# Altium PCB Copy of DIOT_temperature_logger.PcbDoc (part 7 of 7)
Units mm, origin at the board's own origin, x right, y up, seen from the top; angles counter-clockwise.
Board outline 301.1 x 109.1 mm, 4 copper layers (TOP, MID1, MID2, BOT), stack 1.564 mm thick; 651 components, 619 nets, 2526 pads, 1345 vias.
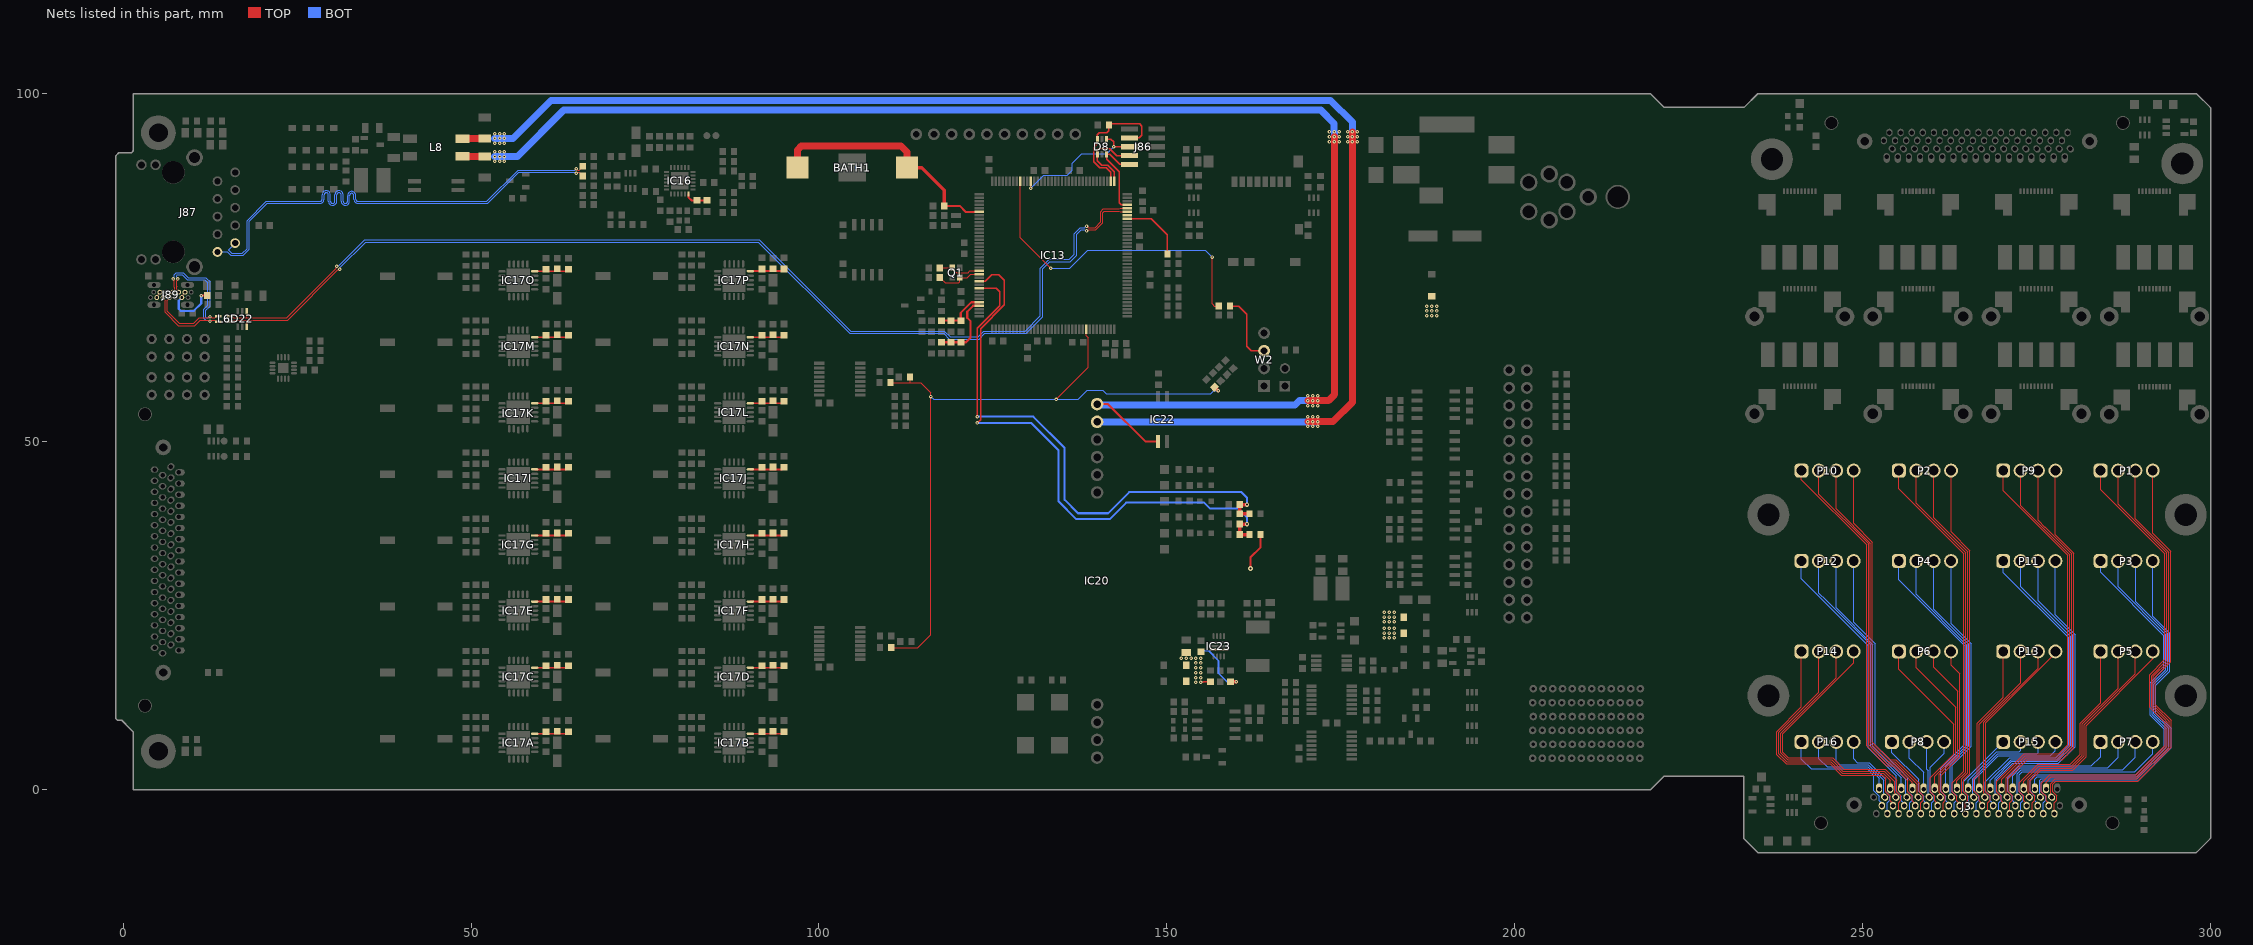
[diagram p9: the nets of this part, all layers, seen from the top]

## Via types
v1: diameter 0.5, hole 0.2, TOP to BOT, tented both sides, 1333 vias
v2: diameter 0.66, hole 0.33, TOP to BOT, tented both sides, 6 vias
v3: diameter 0.6, hole 0.3, TOP to BOT, tented both sides, 6 vias

## Nets (pads, with @x,y where several pads share a name; then routed paths per layer and width w, separated by ;. In a path a pad name is that pad's centre, name@x,y a point inside that pad or via, vN(x,y) a via of type N, cw(c..) or ccw(c..) an arc to the next point about the centre after c; other vN are vias at no path point) (continued)
SPI4_NSS: IC13.64 R126.1 R127.1 R128.1 R131.1 | length 103.8
  TOP w0.171: R128.1@110.3,58.5 113.149,58.5 ; R127.1@110.4,20.4 114.242,20.4 116.1,22.258 v1(116.1,56.5) 116.1,57.05 114.65,58.5 113.149,58.5 ; R126.1@113.1,59.3 113.149,59.251 113.149,58.5 ; v1(134.15,56.075) 138.75,60.675 138.75,64.95 138.45,65.25 IC13.64@138.45,66.175
  TOP w0.5: R131.1@156.866,57.834 157.375,57.325 v1(157.4,57.325)
  BOT w0.152: v1(116.1,56.5) 116.525,56.075 v1(134.15,56.075) 134.175,56.1 137.3,56.1 138.582,57.382 140.818,57.382 141.325,56.876 156.326,56.876 156.775,57.325 v1(157.4,57.325)
SWCLK: D8.1 IC13.109 J86.4 | length 11.1
  TOP w0.2: IC13.109@142.45,87.425 142.45,88.8 141.5,89.75 140.7,89.75 140.05,90.4 D8.1@140.05,91.3 140.05,91.978 140.172,92.1 141.825,92.1 142.795,91.13 J86.4@144.65,91.13
SWDIO: D8.3 IC13.105 J86.2 | length 12.9
  TOP w0.2: IC13.105@144.325,84.05 143.45,84.05 143.175,84.325 143.175,88.803 141.35,90.628 D8.3@141.35,91.3 141.838,91.3 143.278,89.86 J86.2@144.65,89.86
TD_N: J87.2 R97.2 | length 68.1
  TOP w0.127: v1(65.1,89.214) 65.187,89.214 65.361,89.04 65.59,89.04 66.1,89.55 R97.2@66.1,89.6
  BOT w0.127: J87.2@16.09,78.555 15.157,77.622 15.157,77.517 15.609,77.066 17.134,77.066 17.83,77.762 17.83,81.78 20.589,84.539 28.071,84.539 28.274,84.539 ccw(c28.274,84.856) 28.591,84.856 28.591,85.485 cw(c29.188,85.485) 29.785,85.485 29.785,84.577 ccw(c30.103,84.577) 30.42,84.577 30.42,85.485 cw(c31.017,85.485) 31.614,85.485 31.614,84.577 ccw(c31.931,84.577) 32.249,84.577 32.249,85.376 cw(c32.846,85.376) 33.443,85.376 33.443,84.856 ccw(c33.76,84.856) 33.76,84.539 37.592,84.539 40.026,84.539 41.6,84.539 52.264,84.539 56.765,89.04 64.926,89.04 v1(65.1,89.214)
TD_P: J87.1 R96.2 | length 68.3
  TOP w0.127: v1(65.1,88.587) 65.187,88.587 65.361,88.76 65.54,88.76 65.663,88.637 65.663,88.587 R96.2@66.05,88.2
  BOT w0.127: J87.1@13.55,77.285 13.585,77.32 14.96,77.32 15.493,76.786 17.25,76.786 18.109,77.646 18.109,81.664 20.704,84.259 28.071,84.259 28.274,84.259 ccw(c28.274,84.856) 28.871,84.856 28.871,85.485 cw(c29.188,85.485) 29.506,85.485 29.506,84.577 ccw(c30.103,84.577) 30.699,84.577 30.699,85.485 cw(c31.017,85.485) 31.334,85.485 31.334,84.577 ccw(c31.931,84.577) 32.528,84.577 32.528,85.376 cw(c32.846,85.376) 33.163,85.376 33.163,84.856 ccw(c33.76,84.856) 33.76,84.259 37.592,84.259 40.026,84.259 41.6,84.259 52.379,84.259 56.88,88.76 64.926,88.76 v1(65.1,88.587)
TDI: D8.6 IC13.110 J86.8 R77.1 | length 19.4
  TOP w0.2: IC13.110@141.95,87.425 141.95,88.725 141.3,89.375 140.375,89.375 139.5,90.25 139.5,92.275 140.05,92.825 D8.6@140.05,93.5 140.05,94.144 140.306,94.4 141.4,94.4 141.7,94.7 R77.1@141.7,95.5 141.9,95.7 146.1,95.7 146.425,95.375 146.425,94.025 146.07,93.67 J86.8@144.65,93.67
TDO: D8.4 IC13.133 J86.6 | length 20.2
  TOP w0.152: v1(130.45,86.425) IC13.133@130.45,87.425
  TOP w0.2: D8.4@141.35,93.5 141.975,93.5 142.375,93.1 v1(142.375,92.4) J86.6@144.65,92.4
  BOT w0.152: v1(130.45,86.425) 132.3,88.275 135.675,88.275 136.425,89.025 136.425,90.025 137.8,91.4 141.375,91.4 v1(142.375,92.4)
TFORCE_N00: J3.36 P1.4 | length 66.6
  TOP w0.152: J3.36@277.605,-3.45 277.605,-1.92 277.952,-1.572 277.952,-0.921 277.35,-0.318 277.35,0.754 277.82,1.225 289.575,1.225 294.4,6.05 294.4,9.932 292.125,12.207 292.125,16.163 294.325,18.363 294.325,34.25 291.75,36.825 P1.4@291.75,45.85
TFORCE_N01: J3.38 P3.4 | length 55.2
  BOT w0.152: J3.38@276.005,-3.45 276.005,-1.92 276.352,-1.572 276.352,-0.921 275.75,-0.318 275.75,1.087 275.949,1.287 289.662,1.287 294.375,6 294.375,8.825 292.2,11 292.2,15.025 294.175,17 294.175,22.485 291.75,24.91 P3.4@291.75,32.85
TFORCE_N02: J3.40 P5.4 | length 33.7
  TOP w0.152: J3.40@274.405,-3.45 274.405,-1.92 274.752,-1.572 274.752,-0.921 274.15,-0.318 274.15,1.275 275.675,2.8 280.25,2.8 282.175,4.725 282.175,9.2 291.75,18.775 P5.4@291.75,19.85
TFORCE_N03: J3.42 P7.4 | length 28.2
  BOT w0.152: J3.42@272.805,-3.45 272.805,-1.92 273.152,-1.572 273.152,-0.921 272.55,-0.318 272.55,2.154 272.957,2.562 289.184,2.562 291.75,5.128 P7.4@291.75,6.85
TFORCE_N04: J3.44 P9.4 | length 57.6
  TOP w0.152: J3.44@271.205,-3.45 271.205,-1.92 271.552,-1.572 271.552,-0.921 270.95,-0.318 270.95,1.55 273.7,4.3 278.7,4.3 280.4,6 280.4,34 277.75,36.65 P9.4@277.75,45.85
TFORCE_N05: J3.46 P11.4 | length 46.4
  BOT w0.152: J3.46@269.605,-3.45 269.605,-1.92 269.952,-1.572 269.952,-0.921 269.35,-0.318 269.35,1.504 271.607,3.762 278.162,3.762 280.575,6.175 280.575,22.275 277.75,25.1 P11.4@277.75,32.85
TFORCE_N06: J3.48 P13.4 | length 27.8
  TOP w0.152: J3.48@268.005,-3.45 268.005,-1.92 268.352,-1.572 268.352,-0.921 267.8,-0.369 267.751,-0.32 267.751,9.576 277.75,19.575 P13.4@277.75,19.85
TFORCE_N07: J3.50 P15.4 | length 19.9
  BOT w0.152: J3.50@266.405,-3.45 266.405,-1.92 266.752,-1.572 266.752,-0.921 266.15,-0.318 266.15,1.459 269.57,4.879 277.029,4.879 277.75,5.6 P15.4@277.75,6.85
TFORCE_N08: J3.52 P2.4 | length 51.2
  TOP w0.152: P2.4@262.75,45.85 262.75,37.025 265.425,34.35 265.425,2.285 264.55,1.409 264.55,-0.318 265.152,-0.921 265.152,-1.572 264.805,-1.92 J3.52@264.805,-3.45
TFORCE_N09: J3.54 P4.4 | length 39
  BOT w0.152: P4.4@262.75,32.85 262.75,23.85 265.625,20.975 265.625,6.205 262.95,3.529 262.95,-0.318 263.552,-0.921 263.552,-1.572 263.205,-1.92 J3.54@263.205,-3.45
TFORCE_N10: J3.56 P6.4 | length 25.3
  TOP w0.152: J3.56@261.605,-3.45 261.605,-1.92 261.952,-1.572 261.952,-0.921 261.35,-0.318 261.35,2.084 264,4.735 264,16.65 262.75,17.9 P6.4@262.75,19.85
TFORCE_N11: J3.58 P8.4 | length 11.5
  BOT w0.152: J3.58@260.005,-3.45 260.005,-1.92 260.352,-1.572 260.352,-0.921 259.75,-0.318 259.75,3.2 261.75,5.2 P8.4@261.75,6.85
TFORCE_N12: J3.60 P10.4 | length 54.1
  TOP w0.152: P10.4@248.75,45.85 248.75,38.25 251.45,35.55 251.45,6.775 253.975,4.25 254.8,4.25 258.15,0.9 258.15,-0.318 258.752,-0.921 258.752,-1.572 258.405,-1.92 J3.60@258.405,-3.45
TFORCE_N13: J3.62 P12.4 | length 39.9
  BOT w0.152: P12.4@248.75,32.85 248.75,24.05 251.85,20.95 251.85,6.375 256.55,1.675 256.55,-0.318 257.152,-0.921 257.152,-1.572 256.805,-1.92 J3.62@256.805,-3.45
TFORCE_N14: J3.64 P14.4 | length 41.9
  TOP w0.152: P14.4@248.75,19.85 248.75,18.2 238.538,7.988 238.538,5.398 239.361,4.575 245.715,4.575 247.34,2.95 253.325,2.95 254.95,1.325 254.95,-0.318 255.552,-0.921 255.552,-1.572 255.205,-1.92 J3.64@255.205,-3.45
TFORCE_N15: J3.66 P16.4 | length 13.6
  BOT w0.152: P16.4@248.75,6.85 248.75,4.405 249.28,3.875 250.96,3.875 253.35,1.486 253.35,-0.318 253.952,-0.921 253.952,-1.572 253.605,-1.92 J3.66@253.605,-3.45
TFORCE_P00: J3.37 P1.1 | length 68.9
  TOP w0.152: J3.37@276.805,-2.3 276.805,-2.01 276.4,-1.605 276.4,-0.968 275.75,-0.318 275.75,0.925 276.95,2.125 289.29,2.125 293.562,6.397 293.562,9.585 293.029,10.118 291.287,11.86 291.287,16.511 293.487,18.711 293.487,33.893 284.25,43.13 P1.1@284.25,45.85
TFORCE_P01: J3.39 P3.1 | length 57.5
  BOT w0.152: J3.39@275.205,-2.3 275.205,-2.01 274.8,-1.605 274.8,-0.968 274.1,-0.268 274.1,1.35 274.875,2.125 289.315,2.125 293.375,6.185 293.375,8.64 291.362,10.653 291.362,15.372 293.337,17.347 293.337,22.138 284.25,31.225 P3.1@284.25,32.85
TFORCE_P02: J3.41 P5.1 | length 30.2
  TOP w0.152: J3.41@273.605,-2.3 273.605,-2.01 273.2,-1.605 273.2,-0.968 272.55,-0.318 272.55,0.95 275.238,3.638 279.903,3.638 281.337,5.072 281.337,9.547 284.25,12.46 P5.1@284.25,19.85
TFORCE_P03: J3.43 P7.1 | length 21.2
  BOT w0.152: J3.43@272.005,-2.3 272.005,-2.01 271.6,-1.605 271.6,-0.968 270.9,-0.268 270.9,1.72 272.579,3.4 282.9,3.4 284.25,4.75 P7.1@284.25,6.85
TFORCE_P04: J3.45 P9.1 | length 59.5
  TOP w0.152: P9.1@270.25,45.85 270.25,42.95 271.471,41.729 271.471,41.709 279.5,33.68 279.5,6.425 278.213,5.138 273.288,5.138 269.35,1.2 269.35,-0.318 270,-0.968 270,-1.605 270.405,-2.01 J3.45@270.405,-2.3
TFORCE_P05: J3.47 P11.1 | length 48.3
  BOT w0.152: J3.47@268.805,-2.3 268.805,-2.01 268.4,-1.605 268.4,-0.968 267.7,-0.268 267.7,1.091 271.209,4.6 277.815,4.6 279.65,6.435 279.65,21.8 270.25,31.2 P11.1@270.25,32.85
TFORCE_P06: J3.49 P13.1 | length 24.4
  TOP w0.152: J3.49@267.205,-2.3 267.205,-2.01 266.8,-1.605 266.8,-0.968 266.025,-0.194 266.025,1.5 266.525,2 266.525,9.55 270.25,13.275 P13.1@270.25,19.85
TFORCE_P07: J3.51 P15.1 | length 12
  BOT w0.152: J3.51@265.605,-2.3 265.605,-2.01 265.2,-1.605 265.2,-0.968 264.5,-0.268 264.5,1.1 P15.1@270.25,6.85
TFORCE_P08: J3.53 P2.1 | length 53.1
  TOP w0.152: P2.1@255.25,45.85 255.25,43.225 264.587,33.888 264.587,2.637 262.95,1 262.95,-0.318 263.6,-0.968 263.6,-1.605 264.005,-2.01 J3.53@264.005,-2.3
TFORCE_P09: J3.55 P4.1 | length 40.9
  BOT w0.152: P4.1@255.25,32.85 255.25,30.15 264.675,20.725 264.675,6.45 261.3,3.075 261.3,-0.268 262,-0.968 262,-1.605 262.405,-2.01 J3.55@262.405,-2.3
TFORCE_P10: J3.57 P6.1 | length 27.2
  TOP w0.152: P6.1@255.25,19.85 255.25,17.269 263.121,9.399 263.121,5.071 259.75,1.7 259.75,-0.318 260.4,-0.968 260.4,-1.605 260.805,-2.01 J3.57@260.805,-2.3
TFORCE_P11: J3.59 P8.1 | length 11.2
  BOT w0.152: P8.1@254.25,6.85 254.25,5.325 258.1,1.475 258.1,-0.268 258.8,-0.968 258.8,-1.605 259.205,-2.01 J3.59@259.205,-2.3
TFORCE_P12: J3.61 P10.1 | length 55.5
  TOP w0.152: P10.1@241.25,45.85 241.25,44.555 250.612,35.193 250.612,6.263 253.463,3.412 254.413,3.412 256.55,1.275 256.55,-0.318 257.2,-0.968 257.2,-1.605 257.605,-2.01 J3.61@257.605,-2.3
TFORCE_P13: J3.63 P12.1 | length 41.3
  BOT w0.152: P12.1@241.25,32.85 241.25,30.325 250.875,20.7 250.875,5.984 254.9,1.96 254.9,-0.268 255.6,-0.968 255.6,-1.605 256.005,-2.01 J3.63@256.005,-2.3
TFORCE_P14: J3.65 P14.1 | length 37.7
  TOP w0.152: P14.1@241.25,19.85 241.25,11.885 237.7,8.335 237.7,5.025 239.034,3.691 245.37,3.691 246.975,2.087 252.888,2.087 253.35,1.625 253.35,-0.318 254,-0.968 254,-1.605 254.405,-2.01 J3.65@254.405,-2.3
TFORCE_P15: J3.67 P16.1 | length 18.7
  BOT w0.152: P16.1@241.25,6.85 241.25,4.35 242.625,2.975 250.675,2.975 251.631,2.019 251.631,-0.2 252.4,-0.968 252.4,-1.605 252.805,-2.01 J3.67@252.805,-2.3
TRTDIN_N00: J3.2 P1.3 | length 64.8
  TOP w0.152: J3.2@277.205,-1.1 277.07,-0.965 277.07,0.87 277.725,1.525 289.48,1.525 294.121,6.166 294.121,9.816 291.846,12.091 291.846,16.279 294.046,18.479 294.046,34.129 289.25,38.925 P1.3@289.25,45.85
TRTDIN_N01: J3.4 P3.3 | length 53.4
  BOT w0.152: J3.4@275.605,-1.1 275.47,-0.965 275.47,1.325 275.711,1.566 289.546,1.566 294.025,6.045 294.025,8.78 291.921,10.884 291.921,15.141 293.896,17.116 293.896,22.37 289.3,26.965 289.3,32.8 P3.3@289.25,32.85
TRTDIN_N02: J3.6 P5.3 | length 30.1
  TOP w0.152: J3.6@274.005,-1.1 273.9,-0.995 273.9,-0.464 273.87,-0.434 273.87,1.395 275.554,3.079 280.134,3.079 281.896,4.841 281.896,9.316 289.25,16.67 P5.3@289.25,19.85
TRTDIN_N03: J3.8 P7.3 | length 23.6
  BOT w0.152: J3.8@272.405,-1.1 272.27,-0.965 272.27,2.27 272.841,2.841 285.691,2.841 ; 285.725,2.841 287.441,2.841 289.25,4.65 P7.3@289.25,6.85
TRTDIN_N04: J3.10 P9.3 | length 55.8
  TOP w0.152: J3.10@270.805,-1.1 270.7,-0.995 270.7,-0.464 270.67,-0.434 270.67,1.67 273.579,4.579 278.554,4.579 280.1,6.125 280.1,33.9 276.25,37.75 ; P9.3@275.25,45.85 275.25,38.72 276.235,37.735
TRTDIN_N05: J3.12 P11.3 | length 44.5
  BOT w0.152: J3.12@269.205,-1.1 269.07,-0.965 269.07,1.62 271.491,4.041 278.046,4.041 280.25,6.245 280.25,22.15 275.25,27.15 P11.3@275.25,32.85
TRTDIN_N06: J3.14 P13.3 | length 24.2
  TOP w0.152: J3.14@267.605,-1.1 267.5,-0.995 267.5,-0.464 267.472,-0.436 267.472,9.692 275.25,17.47 P13.3@275.25,19.85
TRTDIN_N07: J3.16 P15.3 | length 15.2
  BOT w0.152: J3.16@266.005,-1.1 265.87,-0.965 265.87,1.575 269.454,5.159 275.091,5.159 275.25,5.318 P15.3@275.25,6.85
TRTDIN_N08: J3.18 P2.3 | length 49.6
  TOP w0.152: P2.3@260.25,45.85 260.25,39.1 265.146,34.204 265.146,2.4 264.27,1.525 264.27,-0.434 264.3,-0.464 264.3,-0.995 J3.18@264.405,-1.1
  BOT w0.152: J3.18@264.27,-0.965 J3.18@264.405,-1.1
TRTDIN_N09: J3.20 P4.3 | length 37.2
  BOT w0.152: P4.3@260.25,32.85 260.25,25.945 260.71,25.485 ; 260.712,25.488 265.325,20.875 265.325,6.3 262.67,3.645 262.67,-0.965 J3.20@262.805,-1.1
TRTDIN_N10: J3.22 P6.3 | length 23.5
  TOP w0.152: P6.3@260.25,19.85 260.25,17.6 263.7,14.15 263.7,4.83 261.07,2.2 261.07,-0.434 261.1,-0.464 261.1,-0.995 J3.22@261.205,-1.1
TRTDIN_N11: J3.24 P8.3 | length 8.1
  BOT w0.152: P8.3@259.25,6.85 259.25,2.89 259.47,2.67 259.47,-0.965 J3.24@259.605,-1.1
TRTDIN_N12: J3.26 P10.3 | length 52.3
  TOP w0.152: P10.3@246.25,45.85 246.25,40.35 251.171,35.429 251.171,6.629 253.829,3.971 254.679,3.971 257.87,0.78 257.87,-0.434 257.9,-0.464 257.9,-0.995 J3.26@258.005,-1.1
TRTDIN_N13: J3.28 P12.3 | length 38.2
  BOT w0.152: P12.3@246.25,32.85 246.25,26.125 251.525,20.85 251.525,6.25 256.27,1.505 256.27,-0.965 J3.28@256.405,-1.1
TRTDIN_N14: J3.30 P14.3 | length 38.3
  TOP w0.152: P14.3@246.25,19.85 246.25,16.095 238.259,8.104 238.259,5.282 239.266,4.275 245.577,4.275 247.206,2.646 253.154,2.646 254.67,1.13 254.67,-0.434 254.7,-0.464 254.7,-0.995 J3.30@254.805,-1.1
TRTDIN_N15: J3.32 P16.3 | length 13.2
  BOT w0.152: P16.3@246.25,6.85 246.25,4.1 246.775,3.575 250.865,3.575 253.07,1.37 253.07,-0.965 J3.32@253.205,-1.1
TRTDIN_P00: J3.3 P1.2 | length 64.9
  TOP w0.152: J3.3@276.405,0.05 276.405,1.055 277.175,1.825 289.385,1.825 293.841,6.281 293.841,9.7 293.308,10.233 291.566,11.975 291.566,16.395 293.766,18.595 293.766,34.009 286.75,41.025 P1.2@286.75,45.85
TRTDIN_P01: J3.5 P3.2 | length 53.5
  BOT w0.152: J3.5@274.805,0.05 274.805,1.48 275.17,1.846 289.43,1.846 293.675,6.09 293.675,8.735 291.641,10.769 291.641,15.256 293.616,17.231 293.616,22.254 286.75,29.12 P3.2@286.75,32.85
TRTDIN_P02: J3.7 P5.2 | length 28.1
  TOP w0.152: J3.7@273.205,0.05 273.205,1.205 275.359,3.359 280.019,3.359 281.616,4.956 281.616,9.431 286.75,14.565 P5.2@286.75,19.85
TRTDIN_P03: J3.9 P7.2 | length 20.4
  BOT w0.152: J3.9@271.605,0.05 271.605,2.005 272.7,3.1 272.705,3.1 272.725,3.121 285.246,3.121 286.75,4.625 P7.2@286.75,6.85
TRTDIN_P04: J3.11 P9.2 | length 55.7
  TOP w0.152: J3.11@270.005,0.05 270.005,1.455 273.409,4.859 278.384,4.859 279.8,6.275 279.8,33.775 273.363,40.213 272.75,40.825 P9.2@272.75,45.85
TRTDIN_P05: J3.13 P11.2 | length 44.4
  BOT w0.152: J3.13@268.405,0.05 268.405,1.355 271.371,4.321 277.93,4.321 279.95,6.34 279.95,21.975 272.75,29.175 P11.2@272.75,32.85
TRTDIN_P06: J3.15 P13.2 | length 22.3
  TOP w0.152: J3.15@266.805,0.05 266.805,9.42 272.75,15.365 P13.2@272.75,19.85
TRTDIN_P07: J3.17 P15.2 | length 11.8
  BOT w0.152: J3.17@265.205,0.05 265.205,1.305 269.338,5.438 272.537,5.438 272.75,5.651 P15.2@272.75,6.85
TRTDIN_P08: J3.19 P2.2 | length 49.3
  TOP w0.152: P2.2@257.75,45.85 257.75,41.175 264.866,34.059 264.866,2.516 263.605,1.255 J3.19@263.605,0.05
TRTDIN_P09: J3.21 P4.2 | length 37.1
  BOT w0.152: P4.2@257.75,32.85 257.75,28.05 265.025,20.775 265.025,6.4 262.005,3.38 J3.21@262.005,0.05
TRTDIN_P10: J3.23 P6.2 | length 23.4
  TOP w0.152: P6.2@257.75,19.85 257.75,17.475 263.4,11.825 263.4,4.925 260.405,1.93 J3.23@260.405,0.05
TRTDIN_P11: J3.25 P8.2 | length 7.7
  BOT w0.152: P8.2@256.75,6.85 256.75,4.525 258.805,2.47 J3.25@258.805,0.05
TRTDIN_P12: J3.27 P10.2 | length 51.9
  TOP w0.152: P10.2@243.75,45.85 243.75,42.45 250.891,35.309 250.891,6.409 253.609,3.691 254.564,3.691 257.205,1.05 J3.27@257.205,0.05
TRTDIN_P13: J3.29 P12.2 | length 37.7
  BOT w0.152: P12.2@243.75,32.85 243.75,28.22 244.71,27.26 ; 244.713,27.263 251.175,20.8 251.175,6.125 255.605,1.695 J3.29@255.605,0.05
TRTDIN_P14: J3.31 P14.2 | length 36
  TOP w0.152: P14.2@243.75,19.85 243.75,13.99 237.979,8.22 237.979,5.141 239.15,3.971 245.486,3.971 247.09,2.366 253.009,2.366 254.005,1.37 J3.31@254.005,0.05
TRTDIN_P15: J3.33 P16.2 | length 13.8
  BOT w0.152: P16.2@243.75,6.85 243.75,4.45 244.925,3.275 250.77,3.275 252.405,1.641 J3.33@252.405,0.05
Tx: R91.2 W2.3 | length 10.3
  TOP w0.2: R91.2@159.1,69.5 160.325,69.5 161.525,68.3 161.525,63.7 162.145,63.08 W2.3@164,63.08
TXD: IC13.136 R91.1 | length 46.8
  TOP w0.127: IC13.136@128.95,87.425 128.95,79.3 v1(133.325,74.925) ; v1(156.525,76.55) 156.525,69.8 156.825,69.5 R91.1@157.5,69.5
  BOT w0.152: v1(133.325,74.925) 136.05,74.925 138.625,77.5 155.575,77.5 v1(156.525,76.55)
U_meas_P3V3: C21.2 IC13.28 R63.1 R65.2 | length 77.8
  TOP w0.2: v1(122.775,53.6) 122.775,66.325 126,69.55 126,71.525 125.475,72.05 IC13.28@123.075,72.05
  TOP w0.5: C21.2@160.45,41.059 160.5,41.059 C21.2@160.5,40.95 ; v3(161.55,40.95) C21.2@160.5,40.95 ; R63.1@161.9,39.65 R65.2@160.5,39.65 C21.2@160.5,40.95
  BOT w0.3: v1(122.775,53.6) 130.825,53.6 135.325,49.1 135.325,41.65 137.25,39.725 141.575,39.725 144.6,42.75 160.75,42.75 161.55,41.95 v3(161.55,40.95)
U_meas_P12V0: C18.2 IC13.26 R57.1 R58.2 | length 82
  TOP w0.2: v1@122.8,52.7 123.25,53.15 123.25,53.4 123.252,53.402 123.252,53.798 123.25,53.8 123.25,66.275 126.65,69.675 126.65,73.2 125.85,74 124.875,74 123.925,73.05 IC13.26@123.075,73.05
  TOP w0.5: v3(161.55,38.15) C18.2@160.5,38.15 R58.2@160.5,36.65 R57.1@161.9,36.65
  BOT w0.3: v1@122.8,52.7 130.525,52.7 134.45,48.775 134.45,41.425 137,38.875 141.8,38.875 144.175,41.25 155.375,41.25 156.25,40.375 160.325,40.375 161.55,39.15 v3(161.55,38.15)
  other v1: 122.775,52.7
USB_ID: IC13.102
USB_N: D22.3 IC13.103 L6.2 | length 155
  TOP w0.16: L6.2@15.35,67.25 15.6,67.25 15.72,67.37 15.72,67.4 15.814,67.494 16.708,67.494 17.705,67.494 17.75,67.449 ; D22.3@17.75,66.55 17.75,67.449 ; v1(31.143,74.782) 31.078,74.717 30.856,74.717 23.633,67.494 17.795,67.494 17.75,67.449 ; v1(138.475,80.325) 138.567,80.325 138.724,80.482 139.834,80.482 140.821,81.469 140.821,82.923 141.042,83.144 143.206,83.144 143.3,83.05 IC13.103@144.325,83.05
  BOT w0.16: v1(31.143,74.782) 31.208,74.847 31.208,75.069 34.834,78.695 91.307,78.695 104.418,65.583 117.918,65.583 118.748,64.754 123.023,64.754 123.852,65.583 129.802,65.583 132.171,67.952 132.171,74.836 133.218,75.883 136.107,75.883 137.042,76.818 137.042,79.798 137.726,80.482 138.226,80.482 138.383,80.325 v1(138.475,80.325)
USB_P: D22.4 IC13.104 L6.3 | length 155
  TOP w0.16: L6.3@15.35,68.05 15.6,68.05 15.72,67.93 15.72,67.9 15.814,67.806 16.579,67.806 17.705,67.806 17.75,67.851 ; D22.4@17.75,68.75 17.75,67.851 ; v1(30.7,75.225) 30.635,75.16 30.635,74.938 23.504,67.806 17.795,67.806 17.75,67.851 ; v1(138.475,80.952) 138.567,80.952 138.724,80.795 139.705,80.795 140.508,81.599 140.508,83.052 140.913,83.456 143.206,83.456 143.3,83.55 IC13.104@144.325,83.55
  BOT w0.16: v1(30.7,75.225) 30.765,75.29 30.987,75.29 34.705,79.007 91.436,79.007 104.548,65.896 118.048,65.896 118.877,65.067 122.893,65.067 123.723,65.896 129.673,65.896 131.858,68.082 131.858,74.966 133.089,76.196 135.977,76.196 136.729,76.948 136.729,79.927 137.596,80.795 138.226,80.795 138.383,80.952 v1(138.475,80.952)
USB_VBUS: IC13.101 R141.2 | length 9.5
  TOP w0.2: IC13.101@144.325,82.05 147.775,82.05 150.1,79.725 R141.2@150.1,77
USBJ_N: J89.A7 J89.B7 L6.1 | length 25.3
  TOP w0.16: J89.B7@5.73,70.72 5.73,70.65 6.024,70.356 6.024,68.627 7.943,66.708 10.28,66.708 11.064,67.492 12.226,67.492 12.383,67.335 v1(12.475,67.335) 12.567,67.335 12.724,67.492 13.186,67.492 13.28,67.398 13.28,67.37 13.4,67.25 L6.1@13.65,67.25 ; v1(7.833,73.4) 7.833,73.308 7.676,73.151 7.676,72.317 7.686,72.306 7.686,71.864 7.98,71.57 J89.A7@7.98,71.5
  BOT w0.16: v1(7.833,73.4) 7.833,73.492 7.676,73.649 7.676,73.89 7.769,73.984 8.483,73.984 9.199,73.268 11.745,73.268 12.169,72.845 12.169,69.601 11.579,69.011 11.579,67.769 11.855,67.492 12.226,67.492 12.383,67.335 v1(12.475,67.335)
USBJ_P: J89.A6 J89.B6 L6.4 | length 25.3
  TOP w0.16: J89.B6@6.63,70.72 6.63,70.65 6.336,70.356 6.336,68.757 8.073,67.02 10.151,67.02 10.935,67.805 12.226,67.805 12.383,67.962 v1(12.475,67.962) 12.567,67.962 12.724,67.805 13.185,67.805 13.28,67.9 13.28,67.93 13.4,68.05 L6.4@13.65,68.05 ; J89.A6@7.08,71.5 7.08,71.57 7.374,71.864 7.374,72.177 7.363,72.187 7.363,73.151 7.206,73.308 v1(7.206,73.4)
  BOT w0.16: v1(7.206,73.4) 7.206,73.492 7.363,73.649 7.363,74.02 7.64,74.296 8.613,74.296 9.328,73.581 11.875,73.581 12.481,72.974 12.481,69.472 11.891,68.882 11.891,67.899 11.985,67.805 12.226,67.805 12.383,67.962 v1(12.475,67.962)
V_RTDA: C63A.2 C64A.2 IC17A.20 L4A.1 | length 5
  TOP w0.254: IC17A.20@59.15,8.025 63.7,8.025 L4A.1@64,8.325
V_RTDB: C63B.2 C64B.2 IC17B.20 L4B.1 | length 5
  TOP w0.254: IC17B.20@90.15,8.025 94.7,8.025 L4B.1@95,8.325
V_RTDC: C63C.2 C64C.2 IC17C.20 L4C.1 | length 5
  TOP w0.254: IC17C.20@59.15,17.525 63.7,17.525 L4C.1@64,17.825
V_RTDD: C63D.2 C64D.2 IC17D.20 L4D.1 | length 5
  TOP w0.254: IC17D.20@90.15,17.525 94.7,17.525 L4D.1@95,17.825
V_RTDE: C63E.2 C64E.2 IC17E.20 L4E.1 | length 5
  TOP w0.254: IC17E.20@59.15,27.025 63.7,27.025 L4E.1@64,27.325
V_RTDF: C63F.2 C64F.2 IC17F.20 L4F.1 | length 5
  TOP w0.254: IC17F.20@90.15,27.025 94.7,27.025 L4F.1@95,27.325
V_RTDG: C63G.2 C64G.2 IC17G.20 L4G.1 | length 5
  TOP w0.254: IC17G.20@59.15,36.525 63.7,36.525 L4G.1@64,36.825
V_RTDH: C63H.2 C64H.2 IC17H.20 L4H.1 | length 5
  TOP w0.254: IC17H.20@90.15,36.525 94.7,36.525 L4H.1@95,36.825
V_RTDI: C63I.2 C64I.2 IC17I.20 L4I.1 | length 5
  TOP w0.254: IC17I.20@59.15,46.025 63.7,46.025 L4I.1@64,46.325
V_RTDJ: C63J.2 C64J.2 IC17J.20 L4J.1 | length 5
  TOP w0.254: IC17J.20@90.15,46.025 94.7,46.025 L4J.1@95,46.325
V_RTDK: C63K.2 C64K.2 IC17K.20 L4K.1 | length 5
  TOP w0.254: IC17K.20@59.15,55.525 63.7,55.525 L4K.1@64,55.825
V_RTDL: C63L.2 C64L.2 IC17L.20 L4L.1 | length 5
  TOP w0.254: IC17L.20@90.15,55.525 94.7,55.525 L4L.1@95,55.825
V_RTDM: C63M.2 C64M.2 IC17M.20 L4M.1 | length 5
  TOP w0.254: IC17M.20@59.15,65.025 63.7,65.025 L4M.1@64,65.325
V_RTDN: C63N.2 C64N.2 IC17N.20 L4N.1 | length 5
  TOP w0.254: IC17N.20@90.15,65.025 94.7,65.025 L4N.1@95,65.325
V_RTDO: C63O.2 C64O.2 IC17O.20 L4O.1 | length 5
  TOP w0.254: IC17O.20@59.15,74.5 63.7,74.5 L4O.1@64,74.8
V_RTDP: C63P.2 C64P.2 IC17P.20 L4P.1 | length 5
  TOP w0.254: IC17P.20@90.15,74.525 94.7,74.525 L4P.1@95,74.825
VBAT: BATH1.1 C32.2 IC13.6 | length 35.5
  TOP w0.3: C32.2@118,83.9 120.225,83.9 121.075,83.05 IC13.6@123.075,83.05
  TOP w0.5: BATH1.1@112.673,89.4 114.775,89.4 118,86.175 C32.2@118,83.9
  TOP w1: BATH1.1@96.927,89.4 96.927,91.958 97.469,92.5 111.825,92.5 112.673,91.652 BATH1.1@112.673,89.4
VBUS: J89.A4 J89.A9 J89.B4 J89.B9 L5.2 | length 9.5
  TOP w0.152: J89.B9@4.83,70.72 J89.A4@5.28,71.5 ; J89.B4@8.43,70.72 8.86,71.465 J89.A9@8.88,71.5 J89.A9@8.8,71.5
  TOP w0.3: v1(11.217,71) L5.2@12.1,71
  BOT w0.3: J89.B4@8.43,70.72 7.988,70.278 7.988,69.1 8.268,68.82 10.158,68.82 11.217,69.879 v1(11.217,71)
VC+: C77.2 IC20.1 IC22.1 L8.3 | length 214.6
  TOP w0.3: IC20.1@139.731,55.406 IC20.1@140,55.406 141.569,55.406 146.925,50.05 IC22.1@148.765,50.05
  TOP w1: L8.3@48.75,91.03 C77.2@52,91.03 ; v1(170.3,55.9) v1(171,55.9) v1(171.7,55.9) 173.292,55.9 174.15,56.757 v1@174.15,93.15 ; v1(174.1,93.15) v1(174.1,93.85)
  BOT w1: v1(53.4,91) v1(54.1,91) v1(54.8,91) 56.65,91 63.325,97.675 172.15,97.675 174.075,95.75 v1@174.075,94.575 ; IC20.1@140,55.406 140.106,55.3 168.475,55.3 169.075,55.9 v1(170.3,55.9) v1(171,55.9) v1(171.7,55.9) ; v1(174.1,93.15) v1(174.1,93.85) v1(174.1,94.55)
  other v1: 170.3,55.2 171,55.2 171.7,55.2 170.3,56.6 171,56.6 171.7,56.6 53.4,90.3 54.1,90.3 54.8,90.3 53.4,91.7 54.1,91.7 54.8,91.7 173.4,93.15 174.8,93.15 173.4,93.85 174.8,93.85 173.4,94.55 174.8,94.55
VC-: C78.2 IC20.2 L8.4 | length 211
  TOP w1: L8.4@48.75,93.57 C78.2@52,93.57 ; v1(170.3,52.9) v1(171,52.9) v1(171.7,52.9) 173.925,52.9 176.7,55.675 v1(176.7,93.15) v1(176.7,93.85) v1(176.7,94.55)
  BOT w1: v1(53.4,93.6) v1(54.1,93.6) v1(54.8,93.6) 56.05,93.6 61.525,99.075 173.575,99.075 176.7,95.95 v1(176.7,94.55) v1(176.7,93.85) v1(176.7,93.15) ; IC20.2@140,52.866 171,52.866 v1@171.7,52.866
  other v1: 170.3,52.2 171,52.2 171.7,52.2 170.3,53.6 171,53.6 171.7,53.6 53.4,92.9 54.1,92.9 54.8,92.9 176,93.15 177.4,93.15 176,93.85 177.4,93.85 53.4,94.3 54.1,94.3 54.8,94.3 176,94.55 177.4,94.55
VDDA: C28.2 C29.2 IC13.33 L1.2 | length 10.3
  TOP w0.3: L1.2@117.6,64.3 C28.2@119,64.3 C29.2@120.2,64.3 ; C29.2@120.4,64.3 121.15,64.3 121.825,64.975 121.825,67.3 121.325,67.8 121.325,68.7 122.175,69.55 IC13.33@123.075,69.55
VDDCR: C57.2 C58.2 IC16.6 | length 3.3
  TOP w0.3: IC16.6@81.25,85.6 81.25,85.15 81.7,84.7 C58.2@82.5,84.7 ; C58.2@82.55,84.65 C57.2@83.95,84.65
VIN: C86.2 C87.2 D23.1 D24.1 D25.1 D26.1 D27.1 IC23.1 R57.2 R151.2 R154.1 | length 15.7
  TOP w0.254: 155.226,15.48 155.246,15.5 R151.2@156.3,15.5
  TOP w0.3: v2(162.05,31.775) 162.05,33.375 163.5,34.825 R57.2@163.5,36.65
  TOP w0.5: R154.1@159.2,15.5 v1(160.025,15.5)
  BOT w0.254: 154.625,19.95 156.025,19.95 157.45,18.525 157.45,16.717 158.667,15.5 v1(160.025,15.5)
  other v1: 154.2,15.4 154.9,15.4 154.2,16.1 154.9,16.1 154.2,16.8 154.9,16.8 154.2,17.5 154.9,17.5 154.2,18.2 154.9,18.2 152.1,18.9 152.8,18.9 153.5,18.9 154.2,18.9 154.9,18.9 181.3,21.8 182,21.8 182.7,21.8 181.3,22.5 182,22.5 182.7,22.5 181.3,23.2 182,23.2 182.7,23.2 181.3,24.1 182,24.1 182.7,24.1 181.3,24.8 182,24.8 182.7,24.8 181.3,25.5 182,25.5 182.7,25.5 187.4,68.1 188.1,68.1 188.8,68.1 187.4,68.8 188.1,68.8 188.8,68.8 187.4,69.5 188.1,69.5 188.8,69.5
VREF+: C33.2 C35.2 IC13.32 L2.1 | length 7.2
  TOP w0.3: L2.1@117.6,67.4 C35.2@119,67.4 C33.2@120.4,67.4 120.4,68.525 121.925,70.05 IC13.32@123.075,70.05
XTAL1: C19.2 IC13.23 Q1.1 | length 6.1
  TOP w0.171: C19.2@117.4,75 Q1.1@119.15,75 119.15,74.95 119.638,74.462 119.762,74.338 119.8,74.3 121.475,74.3 121.725,74.55 IC13.23@123.075,74.55
XTAL2: C20.1 IC13.24 Q1.3 | length 6.8
  TOP w0.171: C20.1@117.4,73.6 118.15,72.85 120.075,72.85 120.25,73.025 Q1.3@120.25,73.6 121.35,73.6 121.8,74.05 IC13.24@123.075,74.05
pads on no net: D1.1 D1.6 D2.1 D2.6 D4.1 D4.6 D7.3 D10.3 D21.3 D21.4 D22.1 D22.6 IC1.5 IC2.5 IC4.1 IC4.2 IC4.7 IC5.3 IC5.5 IC5.6 IC12.5 IC13.7 IC13.29 IC13.34 IC13.49 IC13.70 IC13.74 IC13.87 IC13.88 IC13.89 IC13.90 IC13.92 IC13.93 IC13.96 IC13.97 IC13.118 IC13.119 IC13.122 IC13.123 IC13.124 IC13.125 IC13.132 IC17A.17 IC17A.18 IC17B.17 IC17B.18 IC17C.17 IC17C.18 IC17D.17 IC17D.18 IC17E.17 IC17E.18 IC17F.17 IC17F.18 IC17G.17 IC17G.18 IC17H.17 IC17H.18 IC17I.17 IC17I.18 IC17J.17 IC17J.18 IC17K.17 IC17K.18 IC17L.17 IC17L.18 IC17M.17 IC17M.18 IC17N.17 IC17N.18 IC17O.17 IC17O.18 IC17P.17 IC17P.18 IC20.4 IC20.5 IC20.6 IC20.9 J1.MECH J2.MECH J3.71 J3.72 J4.71 J4.72 J5.MECH J6.MECH J7.MECH J8.MECH J9.MECH J10.MECH J11.MECH J12.MECH J29.MECH J30.MECH J47.MECH J48.MECH J65.MECH J66.MECH J84.A5 J84.B1 J84.B5 J84.B6 J84.C6 J84.D5 J84.E2 J84.E4 J84.E5 J84.F2 J84.F4 J84.G3 J84.H2 J84.H3 J84.H6 J84.I2 J84.I6 J84.J3 J84.K3 J84.K6 J84.L2 J84.L6 J86.7 J86.9 J87.MH1 J87.MH2 J88.71 J88.72 J90.5 J91.2 U1.11

## Polygon pours and split planes (outlines as drawn)
P12V0_CPCIS on TOP "P12V0_CPCIS_L01_P151" (solid, pour order 151): 194.725,21.425 194.725,16.325 197.563,16.325 197.563,21.787 195.8,23.55 185.7,23.55 185.7,21.425
3V3 on TOP "TOP-3V3" (solid, remove dead copper, pour order 157): 170.438,26.375 ccw(c170.438,24.387) 168.45,24.387 cw(c166.462,24.387) 166.462,22.4 164.45,22.4 160.45,22.4 160.45,25.8 166.35,25.8 166.35,32.3 173.548,32.3 173.548,26.375
P12V0_POE on TOP "TOP-P12V0_POE" (solid, pour order 145): 127.241,17.216 ccw(c127.241,16.6) 126.625,16.6 126.625,8.3 141.425,8.3 141.425,11.025 138.55,11.025 138.55,14.35 151.7,14.35 151.7,17.216
GND on TOP "TOP-GND" (solid, remove dead copper, pour order 143): 166.2,32.3 166.2,25.95 160.25,25.95 160.25,20.6 151.775,20.6 151.775,30.625 cw(c153.375,30.725) 153.076,32.3
GND on TOP "GND_L01_P164" (solid, remove dead copper, pour order 164): 178.75,90.5 186,90.5 194.7,90.5 194.7,97.475 178.75,97.475
VC- on TOP "VC-_L01_P173" (solid, pour order 173): 169.75,54.01 169.75,51.85 172.3,51.85 172.3,54.01
VC+ on TOP "VC+_L01_P172" (solid, pour order 172): 169.75,57 169.75,54.85 172.3,54.85 172.3,57
P3V3 on TOP "TOP-P3V3" (solid, remove dead copper, pour order 156): 178.625,20.639 ccw(c180.114,20.639) 180.114,19.15 185.7,19.15 185.7,21.275 180.525,21.275 180.525,26.025 185.7,26.025 185.7,28.175 ccw(c185.225,28.175) 185.225,28.65 181.025,28.65 cw(c181.025,29.15) 180.525,29.15 180.525,30.675 ccw(c178.95,30.725) 179,32.3 173.85,32.3 173.85,26.375 176.625,26.375 cw(c176.625,24.375) 178.625,24.375
5V0_USB on TOP "5V0_USB_L01_P167" (solid, pour order 167): 109.8,63.025 109.8,65.175 107.25,65.175 107.25,63.025
P12V0_IN on TOP "P12V0_IN_L01_P163" (solid, remove dead copper, pour order 163): 183.325,72.5 190.1,72.5 190.1,83.75 183.325,83.75
GND on TOP "GND_L01_P162" (solid, remove dead copper, pour order 162): 189.625,75.45 196.4,75.45 196.4,83.75 189.625,83.75
VC+ on TOP "VC+_L01_P160" (solid, pour order 160): 173,92.6 175.15,92.6 175.15,95.15 173,95.15
VC- on TOP "VC-_L01_P161" (solid, pour order 161): 175.59,92.6 177.75,92.6 177.75,95.15 175.59,95.15
5V0_USB on TOP "5V0_USB_L01_P159" (solid, pour order 159): 23.55,69.925 23.55,72.075 19.025,72.075 19.025,69.925
GND on TOP "GND_L01_P144" (solid, pour order 144): 142.575,2.75 ccw(c142.587,3.637) 143.475,3.625 143.475,14.2 138.55,14.2 138.55,11 141.425,11 141.425,8.3 126.625,8.3 126.625,3.625 ccw(c127.5,3.625) 127.5,2.75
P12V0_EEM on TOP "P12V0_EEM_L01_P142" (solid, pour order 142): 195.925,23.725 197.563,22.087 203.2,22.087 203.2,28.475 200.975,28.475 200.34,27.84 200.34,26.709 199.505,25.875 185.7,25.875 185.7,23.725
NetIC23_2 on TOP "NETIC23_2_L01_P139" (solid, remove dead copper, pour order 139): 158.725,20.375 cw(c158.725,19.9) 159.2,19.9 159.2,19.1 161.4,16.9 164.8,16.9 164.8,18.75 163.1,18.75 162.312,18.75 160.238,20.825 156.125,20.825 156.125,20.375
P3V3_CPCIS on TOP "P3V3_CPCIS_L01_P152" (solid, remove dead copper, pour order 152): 183.488,18.95 183.488,14.825 192.1,14.825 192.1,18.95
VIN on TOP "VIN_L01_P153" (solid, pour order 153): 156.05,19.7 ccw(c156.062,19.188) 155.55,19.175 155.55,14.35 151.775,14.35 151.775,20.6 158.875,20.6 158.875,19.675
VC- on TOP "VC-_L01_P148" (solid, remove dead copper, pour order 148): 50.375,94.7 50.375,92.55 55.2,92.55 55.2,94.7
VC+ on TOP "VC+_L01_P149" (solid, remove dead copper, pour order 149): 50.375,92.11 50.375,89.95 55.2,89.95 55.2,92.11
VIN on TOP "VIN_L01_P140" (solid, pour order 140): 185.3,72.15 185.3,66.975 190,66.975 190,72.15
P3V3_MP on TOP "P3V3_MP_L01_P136" (solid, pour order 136): 185.837,21.25 185.837,16.575 188.27,16.575 188.27,21.25
VIN on TOP "VIN_L01_P141" (solid, pour order 141): 180.675,25.875 180.675,23.725 185.7,23.725 185.7,25.875
VIN on TOP "VIN_L01_P150" (solid, pour order 150): 180.675,23.55 180.675,21.425 185.7,21.425 185.7,23.55
P12V0_CPCIS on BOT "P12V0_CPCIS_L04_P138" (solid, pour order 138): 188.651,23.581 ccw(c188.651,23.2) 188.27,23.2 188.27,18.6 194.7,18.6 194.7,0 199.437,0 221.539,0 221.539,5.75 200.4,5.75 197.263,8.887 197.263,21.475 193.781,21.475 191.675,23.581
P3V3 on BOT "P3V3_L04_P181" (solid, remove dead copper, pour order 181): 36.05,78.8 56.25,78.8 64.6,87.15 64.525,87.225 64.525,96.2 184.2,96.2 184.2,-0.05 36.05,-0.05
VIN on BOT "BOT-VIN" (solid, remove dead copper, pour order 171): 151.772,30.725 ccw(c153.375,30.725) 151.775,30.625 151.775,15.1 155.55,15.1 155.55,20.6 160.25,20.6 185.35,20.6 185.35,25.65 190.025,30.325 190.025,72.15 185.3,72.15 185.3,29.265 184.042,28 166.2,28 166.2,30.625 ccw(c164.5,30.625) 164.5,32.325 153.275,32.325 ccw(c153.375,30.725)
AVDDT_PHY on BOT "AVDDT_PHY_L04_P179" (solid, remove dead copper, pour order 179): 66.7,84.75 64.575,84.75 64.575,83.525 76.725,83.525 76.725,92.325 64.575,92.325 64.575,90.3 66.7,90.3
P3V3_CPCIS on BOT "P3V3_CPCIS_L04_P154" (solid, remove dead copper, pour order 154): 188.27,18.3 188.27,2.637 194.425,2.637 194.425,18.3
VC+ on BOT "VC+_L04_P178" (solid, remove dead copper, pour order 178): 52.2,92.1 52.2,89.95 55.2,89.95 55.2,92.1
VC- on BOT "VC-_L04_P177" (solid, remove dead copper, pour order 177): 52.2,94.7 52.2,92.55 55.2,92.55 55.2,94.7
5V0_USB on BOT "5V0_USB_L04_P176" (solid, remove dead copper, pour order 176): 23.55,69.925 23.55,72.075 20.775,72.075 20.775,69.925
5V0_USB on BOT "5V0_USB_L04_P168" (solid, pour order 168): 109.8,63.025 109.8,65.175 107.25,65.175 107.25,63.025
VC- on BOT "VC-_L04_P175" (solid, pour order 175): 169.75,54.01 169.75,51.85 172.3,51.85 172.3,54.01
VC+ on BOT "VC+_L04_P174" (solid, pour order 174): 169.75,57 169.75,54.85 172.3,54.85 172.3,57
P3V3_MP on BOT "P3V3_MP_L04_P169" (solid, remove dead copper, pour order 169): 185.837,21.25 188.27,21.25 188.27,16.575 185.837,16.575
VC- on BOT "VC-_L04_P166" (solid, pour order 166): 175.59,92.6 177.75,92.6 177.75,95.15 175.59,95.15
VC+ on BOT "VC+_L04_P165" (solid, pour order 165): 173,92.6 175.15,92.6 175.15,95.15 173,95.15
VBUS on BOT "VBUS_L04_P146" (solid, remove dead copper, pour order 146): 3.115,72.54 2.777,72.202 2.777,69.998 3.095,69.68 9.23,69.68 9.23,72.437 9.128,72.54
GND on MID1 "**00" (solid, remove dead copper, pour order 180): 232.949,-0.045 232.949,-6.999 235,-9.05 295.01,-9.05 300,-4.06 300,99.955 -1.011,99.955 -1.011,-0.045
VREF+ on MID1 "VREF+_L02_P147" (solid, pour order 147): 115.775,61.1 111.525,65.35 111.525,69.375 123.1,69.375 123.1,61.1
GND on MID2 "GND_L03_P137" (solid, remove dead copper, pour order 137): 232.949,0 232.949,-6.999 235,-9.05 294.999,-9.05 300,-4.049 300,100 -0.881,100 -0.881,0

## Keep-outs
KeepOutLayer:
  rectangle: 1.5,0 221.225,2.5
  rectangle: 1.5,97.5 221.25,100
  region: 207.537,48.55 220.975,48.55 220.975,51.45 207.537,51.45

## Other copper
BOT:
  pour cut-out: 154.275,91.4 155.15,92.275 164.975,92.275 168.1,89.15 168.1,84.5 165.95,82.35 153.4,82.35 151.45,80.4 145.7,80.4 145.7,77.3 144.875,76.475 134.15,76.475 129.7,72.025 129.7,65.125 119.85,65.125 116.875,68.1 104.125,68.1 84.875,87.35 77.825,87.35 77.825,91.575 81.2,94.95 111.325,94.95 117.525,88.75 138.725,88.75 141.375,91.4
  text "LayerStack: JLC0416H-3313" at 17.679,131.462 h1.52

## Silkscreen, mask and mechanical layers (free items; w line width, h text height)
TopOverlay:
  drawing of 550 lines, arcs and shapes, not listed
  text "SCL" at 290.352,99.573 h0.76 r270
  text "SDA" at 295.952,99.573 h0.76 r270
  text "3V3" at 239.516,98.981 h0.76 r180
  text "GND" at 292.052,96.998 h0.76 r270
  text "CPU JTAG" at 142.525,95.85 h1
  text "CH00" at 233.225,84.35 h1.4 r270
  text "CH02" at 247.025,84.35 h1.4 r270
  text "CH04" at 250.225,84.35 h1.4 r270
  text "CH06" at 264.025,84.35 h1.4 r270
  text "CH08" at 267.225,84.35 h1.4 r270
  text "CH10" at 281.025,84.35 h1.4 r270
  text "CH12" at 284.225,84.35 h1.4 r270
  text "CH14" at 298.025,84.35 h1.4 r270
  text "CH03 / F-      D-      D+     F+" at 235,72.525 h1.2
  text "CH07 / F-      D-      D+     F+" at 252,72.525 h1.2
  text "CH11 / F-      D-      D+     F+" at 269,72.525 h1.2
  text "CH15 / F-      D-      D+     F+" at 286,72.525 h1.2
  text "RTD - CH14" at 38.275,69.483 h1.14
  text "RTD - CH15" at 69.3,69.483 h1.14
  text "UART" at 162.025,67.325 h1
  text "GND" at 162.5,64.125 h1 r90
  text "TX" at 162.525,61.85 h1 r90
  text "BOOT" at 168.6,61.35 h1 r270
  text "RTD - CH12" at 38.275,59.983 h1.14
  text "RTD - CH13" at 69.3,59.983 h1.14
  text "RX" at 162.5,59.525 h1 r90
  text "NO MCU JUMPER" at 153.75,59.025 h1 r45
  text "CH02 / F-      D-      D+     F+" at 235,58.525 h1.2
  text "CH06 / F-      D-      D+     F+" at 252,58.525 h1.2
  text "CH10 / F-      D-      D+     F+" at 269,58.525 h1.2
  text "CH14 / F-      D-      D+     F+" at 285.5,58.488 h1.2
  text "3V3" at 158.7,57.15 h1
  text "NO MCU JUMPER" at 117.425,51.2 h1 r90
  text "SDA" at 15.4,51.075 h1
  text "RTD - CH10" at 38.275,50.483 h1.14
  text "RTD - CH11" at 69.3,50.483 h1.14
  text "12V EEM" at 151.058,46.625 h0.8
  text "SCL" at 13.225,45.025 h1
  text "12V IN" at 151.058,44.25 h0.8
  text "3V3" at 151.058,41.975 h0.8
  text "RTD - CH08" at 38.275,40.983 h1.14
  text "RTD - CH09" at 69.3,40.983 h1.14
  text "CH12 / F+ D+ D- F-" at 240,39.749 h1.2
  text "CH8 / F+ D+ D- F-" at 254,39.748 h1.2
  text "CH4 / F+ D+ D- F-" at 269,39.749 h1.2
  text "CH0 / F+ D+ D- F-" at 283,39.749 h1.2
  text "3V3 MP" at 151.058,39.7 h0.8
  text "12V CPCIS" at 151.058,37.425 h0.8
  text "RTD - CH06" at 38.275,31.483 h1.14
  text "RTD - CH07" at 69.3,31.483 h1.14
  text "DIOT temperature_logger / V1.0 / WUT ISE 2024" at 106.875,30.475 h1.02
  text "CH13 / F+ D+ D- F-" at 240,26.749 h1.2
  text "CH9 / F+ D+ D- F-" at 254,26.749 h1.2
  text "CH5 / F+ D+ D- F-" at 269,26.749 h1.2
  text "CH1 / F+ D+ D- F-" at 283,26.749 h1.2
  text "SDA" at 178.175,23.45 h1
  text "RTD - CH04" at 38.275,21.983 h1.14
  text "RTD - CH05" at 69.3,21.983 h1.14
  text "SCL" at 178.164,20.694 h1
  text "CH14 / F+ D+ D- F-" at 240,13.7 h1.2
  text "CH10 / F+ D+ D- F-" at 254,13.7 h1.2
  text "CH6 / F+ D+ D- F-" at 269,13.7 h1.2
  text "CH2 / F+ D+ D- F-" at 283,13.7 h1.2
  text "RTD - CH02" at 38.275,12.508 h1.14
  text "RTD - CH03" at 69.3,12.508 h1.14
  text "3V3" at 235.384,3.269 h0.76
  text "RTD - CH00" at 38.275,2.983 h1.14
  text "RTD - CH01" at 69.3,2.975 h1.14
  text "CH15" at 240,1.172 h1.2
  text "CH11" at 254,1.172 h1.2
  text "CH7" at 269,1.172 h1.2
  text "CH3" at 283,1.172 h1.2
  text "SDA" at 235.452,-6.048 h0.76
  text "GND" at 238.152,-6.048 h0.76
  text "SCL" at 240.852,-6.048 h0.76
BottomOverlay:
  drawing of 541 lines, arcs and shapes, not listed
  text "CH01" at 234.975,84.35 h1.4 r90
  text "CH03" at 248.775,84.35 h1.4 r90
  text "CH05" at 251.975,84.35 h1.4 r90
  text "CH07" at 265.775,84.35 h1.4 r90
  text "CH09" at 268.975,84.35 h1.4 r90
  text "CH11" at 282.775,84.35 h1.4 r90
  text "CH13" at 285.975,84.35 h1.4 r90
  text "CH15" at 299.775,84.35 h1.4 r90
  text "DIOT temperature_logger / V1.0 / WUT ISE 2024" at 112.725,80.55 h1.02
  text "CH01 / F-      D-      D+     F+" at 235,72.525 h1.2
  text "CH05 / F-      D-      D+     F+" at 252,72.525 h1.2
  text "CH09 / F-      D-      D+     F+" at 269,72.525 h1.2
  text "CH13 / F-      D-      D+     F+" at 286,72.525 h1.2
  text "CH00 / F-      D-      D+     F+" at 235,58.525 h1.2
  text "CH04 / F-      D-      D+     F+" at 252,58.525 h1.2
  text "CH08 / F-      D-      D+     F+" at 269,58.525 h1.2
  text "CH12 / F-      D-      D+     F+" at 286,58.488 h1.2
Mechanical1:
  lines w0.1: 221.5,98 221.5,2 ; 232.961,98 221.5,98 219.5,100 1.5,100 1.5,91.8 1.2,91.5 -0.6,91.5 -1,91.1 -1,10.2 -0.8,10 -0.2,10 1.1,8.7 1.5,8.3 1.5,0 219.5,0 221.5,2 ; 232.998,2 221.5,2 ; 233,65 300,65 ; 232.999,79 300,79 ; 249.5,51 249.5,79 ; 266.5,-8.999 266.5,51 266.5,79 ; 283.5,51 283.5,79 ; 232.999,-6.999 232.999,2 233,98 235,100 298,100 300,98 300,-7 298,-9 235,-9 232.999,-6.999 ; 233,51 300,51 232.999,51
Board Shape:
  circle w0.2: c-47.63,1.312 r1.35
  circle w0.2: c-47.63,-10.388 r1.25
  circle w0.2: c-37.47,1.312 r1.35
  circle w0.2: c-42.344,1.312 r1.35
  circle w0.2: c-42.54,100.312 r1.25
  circle w0.2: c-42.54,100.312 r2.25
  circle w0.2: c-47.63,112.012 r1.25
  lines w0.1: -50,-13.388 -30.02,-13.388 -30.02,115.012 -50,115.012 -50,-13.388 ; -49.351,106.513 -30.649,106.513 -30.649,109.612 -49.351,109.612 -49.351,106.513
  lines w0.2: -44.995,-12.038 cw(c-42.55,-10.388) -44.995,-8.738 -40.105,-8.738 cw(c-42.55,-10.388) -40.105,-12.038 -44.995,-12.038 ; -44.995,110.362 cw(c-42.55,112.012) -44.995,113.662 -40.105,113.662 cw(c-42.55,112.012) -40.105,110.362 -44.995,110.362
Dimensions:
  lines w0.254: -46.094,-13.388 -46.094,115.012
  text "PCB TOP EDGE" at -45.84,86.358 h1.52 r270
  text "PCB TOP EDGE" at -45.84,36.358 h1.52 r270
M11 Milling 1mm:
  lines w1: 222,4.025 222,6.525 ; 222,9.625 222,14.925 ; 222,18 222,20.5 ; 222,23.6 222,26.1 ; 222,29.2 222,34.5 ; 222,37.6 222,40.1 ; 222,43.2 222.001,51 ; 222,51 222,53.5 ; 222,56.6 222,59.1 ; 222,62.2 222.001,65 ; 222,65 222,67.5 ; 222,70.6 222,73.1 ; 222,76.2 222,79 ; 222,82.4 222,79 ; 222,85.5 222,90.8 ; 222,93.9 222,96.4 ; 232.499,51 232.5,43.2 ; 232.499,65 232.5,62.2 ; 232.5,4.025 232.5,6.525 ; 232.5,9.625 232.5,14.925 ; 232.5,18 232.5,20.5 ; 232.5,23.6 232.5,26.1 ; 232.5,29.2 232.5,34.5 ; 232.5,37.6 232.5,40.1 ; 232.5,53.5 232.5,51 239.5,51 ; 232.5,56.6 232.5,59.1 ; 232.5,67.5 232.5,65 239.5,65 ; 232.5,70.6 232.5,73.1 ; 232.5,76.2 232.5,79 ; 232.5,82.4 232.5,79 ; 232.5,85.5 232.5,90.8 ; 232.5,93.9 232.5,96.4 ; 239.5,79 232.5,79 ; 242.5,79 249.5,79 ; 242.6,51 249.5,51 ; 242.6,65 249.5,65 ; 249.5,53.5 249.5,51 ; 249.5,56.6 249.5,59.1 ; 249.5,62.2 249.5,64.975 ; 249.5,67.5 249.5,65 ; 249.5,70.6 249.5,73.1 ; 249.5,76.2 249.5,79 ; 256.5,51 249.5,51 ; 256.5,65 249.5,65 ; 256.5,79 249.5,79 ; 259.6,51 266.5,51 266.5,53.5 ; 259.6,65 266.5,65 ; 259.6,79 266.5,79 ; 266.5,51 273.5,51 ; 266.5,56.6 266.5,59.1 ; 266.5,62.2 266.5,65 ; 266.5,67.5 266.5,65 ; 266.5,70.6 266.5,73.1 ; 266.5,76.2 266.5,79 273.5,79 ; 273.5,65 266.5,65 ; 276.6,51 283.5,51 290.5,51 ; 276.6,65 283.5,65 ; 276.6,79 283.5,79 ; 283.5,51 283.5,53.4 ; 283.5,56.6 283.5,59 ; 283.5,62.2 283.5,65 ; 283.5,67.5 283.5,65 ; 283.5,70.6 283.5,73.1 ; 283.5,76.2 283.5,79 ; 290.5,65 283.5,65 ; 290.5,79 283.5,79 ; 293.6,51 300,51 ; 293.6,65 300,65 ; 293.6,79 300,79 ; 222,79 222,79 ; 232.5,79 232.5,79
M15:
  circle w0.2: c-36.62,62 r0.8
  circle w0.2: c-39.16,62 r0.8
  circle w0.2: c-41.7,62 r0.8
  circle w0.2: c-44.24,62 r0.8
  circle w0.2: c-44.24,67.5 r0.8
  circle w0.2: c-41.7,67.5 r0.8
  circle w0.2: c-39.16,67.5 r0.8
  circle w0.2: c-36.62,67.5 r0.8
  lines w0.1: -50.99,79.13 ccw(c-49.69,79.13) -49.69,77.83 -49,77.83 -47.7,77.83 -47.7,86.77 -49,86.77 -49.69,86.77 ccw(c-49.69,85.47) -50.99,85.47 -50.99,79.13 ; -46.094,74.337 -46.094,90.337 -32.494,90.337 -32.494,74.337 -46.094,74.337

## Text inside footprints (layer, text, board x,y; h text height)
IC20: TopOverlay "1" at 139.45,57.52 h1.2 r270; Mechanical14 "1" at 139.45,57.52 h1.2 r270
J3: TopOverlay "33" at 247.2,0.125 h1.2 r180; TopOverlay "68" at 252.694,-4.461 h1.2 r180; TopOverlay "1" at 283.7,0.225 h1.2 r180; TopOverlay "36" at 278.294,-4.461 h1.2 r180; Mechanical14 "33" at 253.379,2.372 h1.2 r180; Mechanical14 "1" at 278.159,2.374 h1.2 r180; Mechanical8 "EDGE OF PCB" at 269.017,-8.921 h1 r180
J4: TopOverlay "36" at 253.206,95.461 h1.2; TopOverlay "1" at 247.6,90.925 h1.2; TopOverlay "68" at 278.806,95.461 h1.2; TopOverlay "33" at 284.4,90.9 h1.2; Mechanical14 "1" at 253.341,88.627 h1.2; Mechanical14 "33" at 278.12,88.629 h1.2; Mechanical8 "EDGE OF PCB" at 262.483,99.922 h1
J83: TopOverlay "30" at 203.167,25.355 h1.02 r270; Mechanical14 "30" at 203.167,25.355 h1.02 r270
J84: TopOverlay "A" at 218.5,1.3 h1 r90; TopOverlay "B" at 217.1,1.3 h1 r90; TopOverlay "C" at 215.7,1.3 h1 r90; TopOverlay "D" at 214.3,2.3 h1 r90; TopOverlay "E" at 212.9,2.3 h1 r90; TopOverlay "6" at 198.05,14.15 h1 r90; TopOverlay "5" at 198.05,12.15 h1 r90; TopOverlay "4" at 198.05,10.15 h1 r90; TopOverlay "F" at 211.5,2.3 h1 r90; TopOverlay "G" at 210.1,2.3 h1 r90; TopOverlay "H" at 208.7,2.3 h1 r90; TopOverlay "I" at 207.3,2.55 h1 r90; TopOverlay "3" at 198.05,8.15 h1 r90; TopOverlay "2" at 198.05,6.15 h1 r90; TopOverlay "J" at 205.9,2.3 h1 r90; TopOverlay "K" at 204.5,2.3 h1 r90; TopOverlay "1" at 198.05,4.15 h1 r90; TopOverlay "L" at 203.1,2.3 h1 r90; DrillDrawing "PRESS-FIT TECHNOLOGY" at 218.75,17 h1 r180; DrillDrawing "Diam. 0.5mm +/-0.05" at 218.75,18.5 h1 r180; Mechanical14 "A" at 218.5,1.3 h1 r90; Mechanical14 "B" at 217.1,1.3 h1 r90; Mechanical14 "C" at 215.7,1.3 h1 r90; Mechanical14 "D" at 214.3,2.3 h1 r90; Mechanical14 "E" at 212.9,2.3 h1 r90; Mechanical14 "6" at 198.05,14.15 h1 r90; Mechanical14 "5" at 198.05,12.15 h1 r90; Mechanical14 "4" at 198.05,10.15 h1 r90; Mechanical14 "F" at 211.5,2.3 h1 r90; Mechanical14 "G" at 210.1,2.3 h1 r90; Mechanical14 "H" at 208.7,2.3 h1 r90; Mechanical14 "I" at 207.3,2.55 h1 r90; Mechanical14 "2" at 198.05,6.15 h1 r90; Mechanical14 "3" at 198.05,8.15 h1 r90; Mechanical14 "J" at 205.9,2.3 h1 r90; Mechanical14 "K" at 204.5,2.3 h1 r90; Mechanical14 "L" at 203.1,2.3 h1 r90; Mechanical14 "1" at 198.05,4.15 h1 r90; Mechanical8 "Edge of Daugher Card" at 220.85,6.275 h0.5 r90; Mechanical8 "Top Surface of Mother Board" at 232.35,5.125 h0.5 r90
J88: TopOverlay "36" at 3.489,19.706 h1.2 r90; TopOverlay "1" at 10.625,19.825 h1.2 r90; TopOverlay "68" at 3.489,45.306 h1.2 r90; TopOverlay "33" at 10.322,44.62 h1.2 r90; Mechanical14 "1" at 10.324,19.841 h1.2 r90; Mechanical14 "33" at 10.322,44.62 h1.2 r90; Mechanical8 "EDGE OF PCB" at -0.972,28.983 h1 r90
J90: Mechanical14 "1" at 206.591,89.66 h1.2 r270
LD4: Mechanical14 "A" at 3.309,57.669 h1 r90; Mechanical14 "B" at 5.849,57.669 h1 r90; Mechanical14 "C" at 8.389,57.669 h1 r90; Mechanical14 "D" at 10.929,57.669 h1 r90; Mechanical14 "C" at 12.98,56.349 h1; Mechanical14 "A" at 12.98,58.889 h1
LD5: Mechanical14 "A" at 3.309,63.169 h1 r90; Mechanical14 "B" at 5.849,63.169 h1 r90; Mechanical14 "C" at 8.389,63.169 h1 r90; Mechanical14 "D" at 10.929,63.169 h1 r90; Mechanical14 "C" at 12.98,61.849 h1; Mechanical14 "A" at 12.98,64.389 h1
SW1A: TopOverlay "1" at 38.925,9.23 h1 r270; TopOverlay "ON" at 43.978,8.553 h0.89; Mechanical14 "ON" at 44.64,8.214 h1 r270
SW1B: TopOverlay "1" at 69.925,9.23 h1 r270; TopOverlay "ON" at 74.978,8.553 h0.89; Mechanical14 "ON" at 75.64,8.214 h1 r270
SW1C: TopOverlay "1" at 38.925,18.73 h1 r270; TopOverlay "ON" at 43.978,18.053 h0.89; Mechanical14 "ON" at 44.64,17.714 h1 r270
SW1D: TopOverlay "1" at 69.925,18.73 h1 r270; TopOverlay "ON" at 74.978,18.053 h0.89; Mechanical14 "ON" at 75.64,17.714 h1 r270
SW1E: TopOverlay "1" at 38.925,28.23 h1 r270; TopOverlay "ON" at 43.978,27.553 h0.89; Mechanical14 "ON" at 44.64,27.214 h1 r270
SW1F: TopOverlay "1" at 69.925,28.23 h1 r270; TopOverlay "ON" at 74.978,27.553 h0.89; Mechanical14 "ON" at 75.64,27.214 h1 r270
SW1G: TopOverlay "1" at 38.925,37.73 h1 r270; TopOverlay "ON" at 43.978,37.053 h0.89; Mechanical14 "ON" at 44.64,36.714 h1 r270